# KiCad board bixi.kicad_pcb
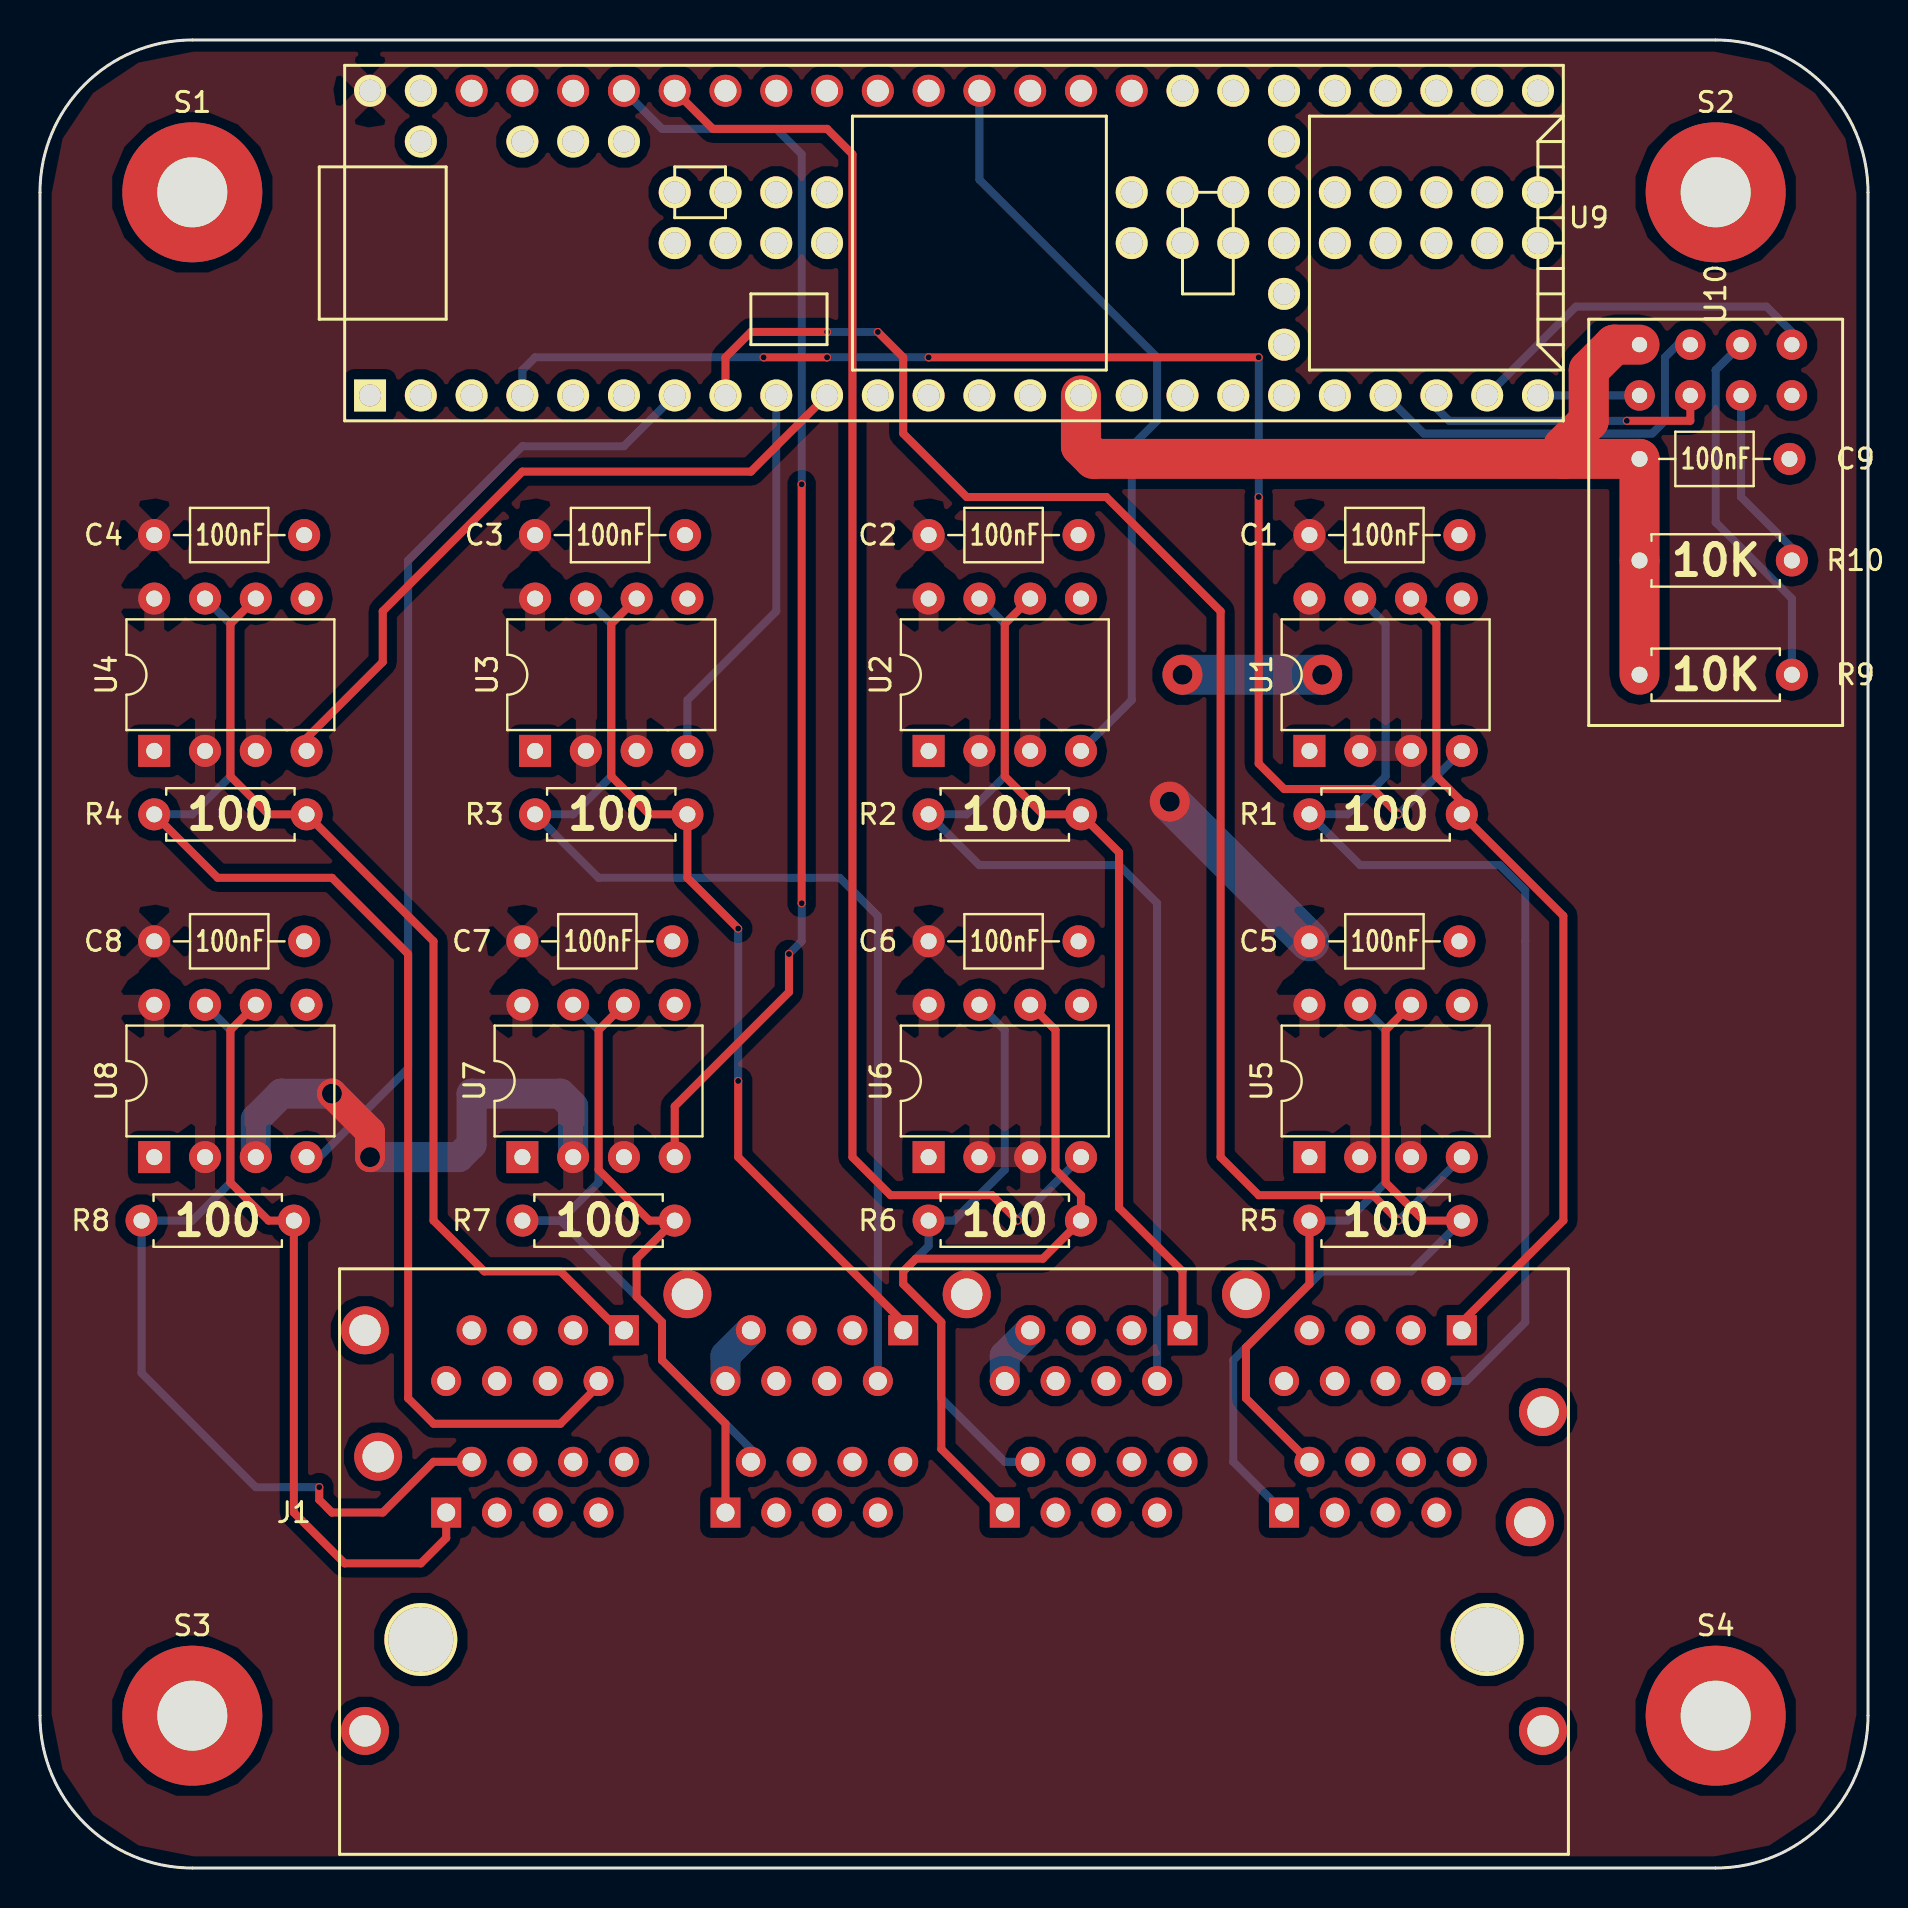
[diagram p0: board, top side]
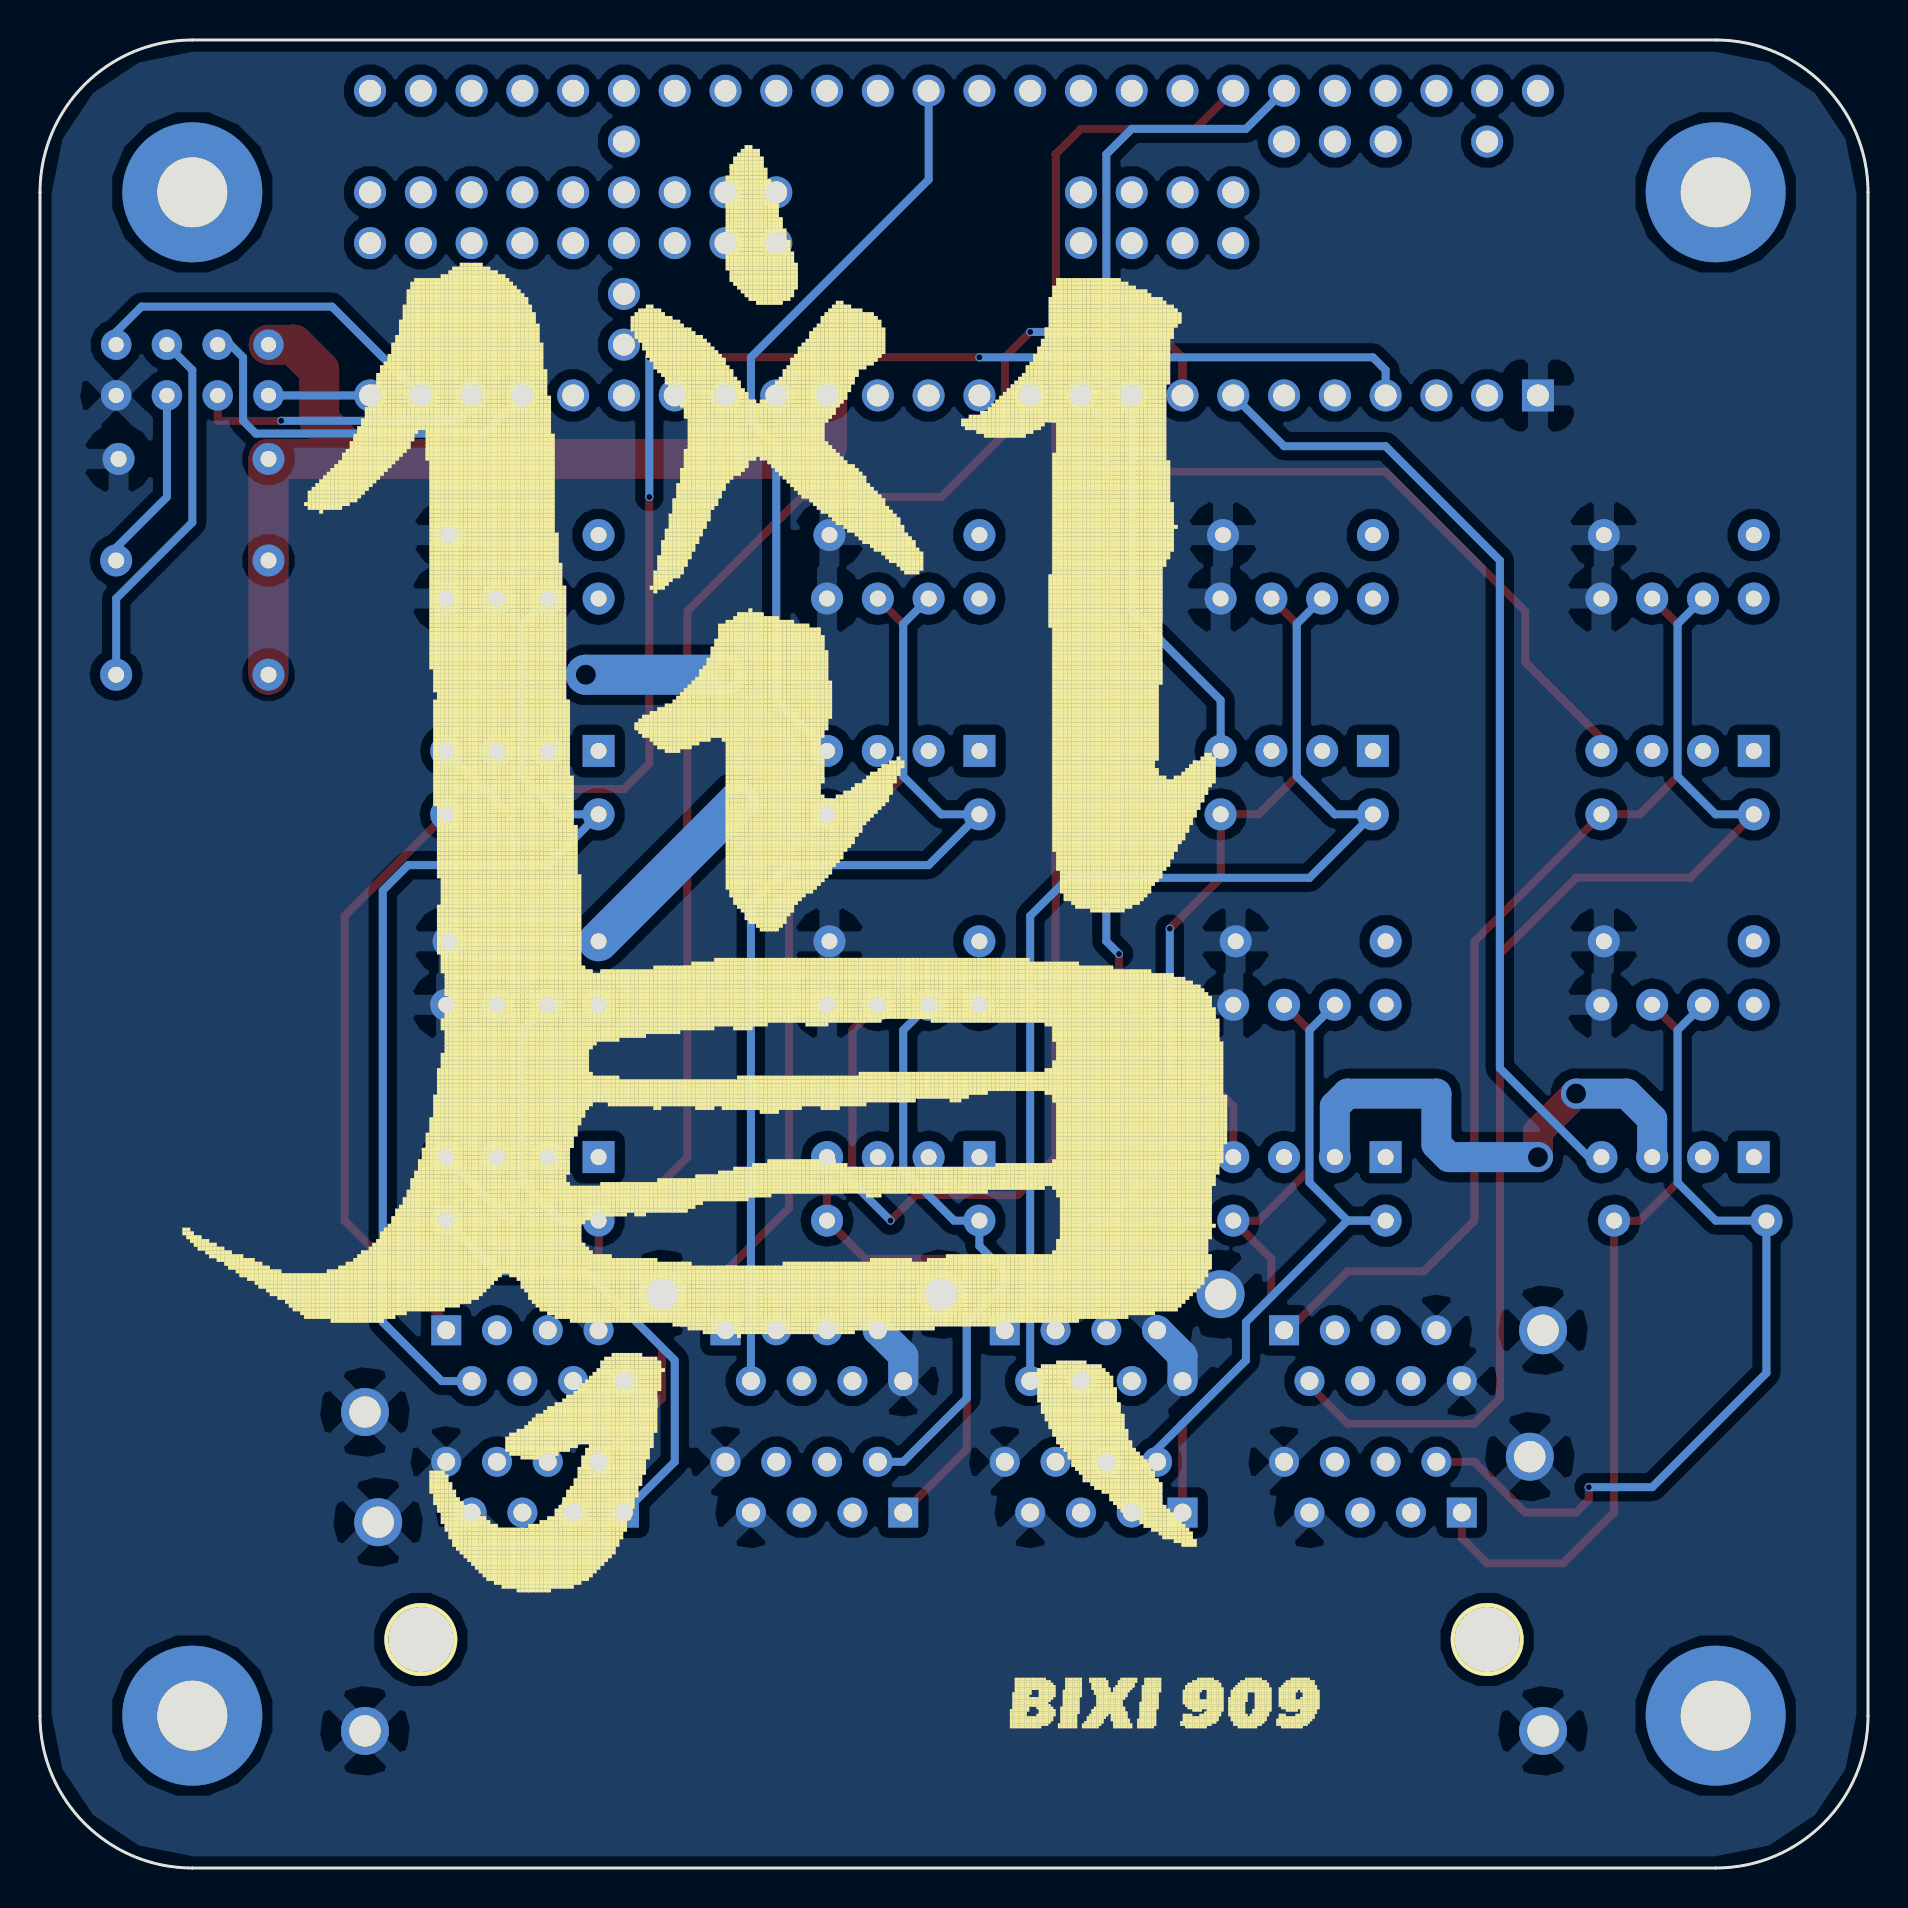
[diagram p1: board, bottom side, seen from below]

Outline 91.44 x 91.44 mm; copper layers: Top, Bottom. Coordinates in mm from the lower left corner of the outline.
Outline path: 0,83.82 0,7.62 arc(2.23,2.23) 7.62,0 83.82,0 arc(89.21,2.23) 91.44,7.62 91.44,83.82 arc(89.21,89.21) 83.82,91.44 7.62,91.44 arc(2.23,89.21) 0,83.82

## Placement (name value [footprint] x y rotation side)
bixi-graphic  -  [bixi-graphic]  29.21 90.17 0 top
bixi-text  -  [bixi-text]  25.4 11.43 0 top
C1  C  [C_Axial_L3.8mm_D2.6mm_P7.50mm_Horizontal]  63.5 66.68 0 top
C2  C  [C_Axial_L3.8mm_D2.6mm_P7.50mm_Horizontal]  44.45 66.68 0 top
C3  C  [C_Axial_L3.8mm_D2.6mm_P7.50mm_Horizontal]  24.77 66.68 0 top
C4  C  [C_Axial_L3.8mm_D2.6mm_P7.50mm_Horizontal]  5.71 66.68 0 top
C5  C  [C_Axial_L3.8mm_D2.6mm_P7.50mm_Horizontal]  63.5 46.36 0 top
C6  C  [C_Axial_L3.8mm_D2.6mm_P7.50mm_Horizontal]  44.45 46.36 0 top
C7  C  [C_Axial_L3.8mm_D2.6mm_P7.50mm_Horizontal]  24.13 46.36 0 top
C8  C  [C_Axial_L3.8mm_D2.6mm_P7.50mm_Horizontal]  5.71 46.36 0 top
C9  C  [C_Axial_L3.8mm_D2.6mm_P7.50mm_Horizontal]  80.01 70.49 0 top
J1  -  [RJ45_2x4]  48.26 -7.62 0 top
R1  100  [R_Axial_DIN0207_L6.3mm_D2.5mm_P7.62mm_Horizontal]  63.5 52.71 0 top
R2  100  [R_Axial_DIN0207_L6.3mm_D2.5mm_P7.62mm_Horizontal]  44.45 52.71 0 top
R3  100  [R_Axial_DIN0207_L6.3mm_D2.5mm_P7.62mm_Horizontal]  24.77 52.71 0 top
R4  100  [R_Axial_DIN0207_L6.3mm_D2.5mm_P7.62mm_Horizontal]  5.71 52.71 0 top
R5  100  [R_Axial_DIN0207_L6.3mm_D2.5mm_P7.62mm_Horizontal]  63.5 32.39 0 top
R6  100  [R_Axial_DIN0207_L6.3mm_D2.5mm_P7.62mm_Horizontal]  44.45 32.39 0 top
R7  100  [R_Axial_DIN0207_L6.3mm_D2.5mm_P7.62mm_Horizontal]  24.13 32.39 0 top
R8  100  [R_Axial_DIN0207_L6.3mm_D2.5mm_P7.62mm_Horizontal]  5.08 32.39 0 top
R9  R  [R_Axial_DIN0207_L6.3mm_D2.5mm_P7.62mm_Horizontal]  80.01 59.69 0 top
R10  R  [R_Axial_DIN0207_L6.3mm_D2.5mm_P7.62mm_Horizontal]  80.01 65.41 0 top
S1  MountingHole_3.5mm  [MountingHole_3.5mm_Pad]  7.62 83.82 0 top
S2  MountingHole_3.5mm  [MountingHole_3.5mm_Pad]  83.82 83.82 0 top
S3  MountingHole_3.5mm  [MountingHole_3.5mm_Pad]  7.62 7.62 0 top
S4  MountingHole_3.5mm  [MountingHole_3.5mm_Pad]  83.82 7.62 0 top
U1  SP3481CN  [DIP-8_W7.62mm]  63.5 55.88 90 top
U2  SP3481CN  [DIP-8_W7.62mm]  44.45 55.88 90 top
U3  SP3481CN  [DIP-8_W7.62mm]  24.77 55.88 90 top
U4  SP3481CN  [DIP-8_W7.62mm]  5.71 55.88 90 top
U5  SP3481CN  [DIP-8_W7.62mm]  63.5 35.56 90 top
U6  SP3481CN  [DIP-8_W7.62mm]  44.45 35.56 90 top
U7  SP3481CN  [DIP-8_W7.62mm]  24.13 35.56 90 top
U8  SP3481CN  [DIP-8_W7.62mm]  5.71 35.56 90 top
U9  Teensy3.6  [Teensy35_36]  45.72 81.28 0 top
U10  -  [ESP8266]  83.82 67.31 270 top

## Footprints (pads in the part's own frame, mm; a bottom-side part is the same pattern mirrored in y, then rotated)
C_Axial_L3.8mm_D2.6mm_P7.50mm_Horizontal
  round 1.6 hole 0.8: 1(0,0)
  oval 1.6x1.6 hole 0.8: 2(7.5,0)
DIP-8_W7.62mm
  rect 1.6x1.6 hole 0.8: 1(0,0)
  oval 1.6x1.6 hole 0.8: 2(0,-2.54) 3(0,-5.08) 4(0,-7.62) 5(7.62,-7.62) 6(7.62,-5.08) 7(7.62,-2.54) 8(7.62,0)
ESP8266
  round 1.524 hole 0.762: 1(-6.35,3.81) 2(-8.89,3.81) 3(-6.35,1.27) 4(-8.89,1.27) 5(-6.35,-1.27) 6(-8.89,-1.27) 7(-6.35,-3.81) 8(-8.89,-3.81)
MountingHole_3.5mm_Pad
  round 7 hole 3.5: 1(0,0)
R_Axial_DIN0207_L6.3mm_D2.5mm_P7.62mm_Horizontal
  round 1.6 hole 0.8: 1(0,0)
  oval 1.6x1.6 hole 0.8: 2(7.62,0)
RJ45_2x4
  round 3.65 hole 3.25 unplated: (-29.21,19.05) (24.13,19.05)
  rect 1.5x1.5 hole 0.9: 1(22.86,34.519) 9(8.89,34.519) 17(-5.08,34.519) 25(-19.05,34.519) 33(13.97,25.4) 41(0,25.4) 49(-13.97,25.4) 57(-27.94,25.4)
  round 1.5 hole 0.9: 2(21.59,31.979) 3(20.32,34.519) 4(19.05,31.979) 5(17.78,34.519) 6(16.51,31.979) 7(15.24,34.519) 8(13.97,31.979) 10(7.62,31.979) 11(6.35,34.519) 12(5.08,31.979) 13(3.81,34.519) 14(2.54,31.979) 15(1.27,34.519) 16(0,31.979) 18(-6.35,31.979) 19(-7.62,34.519) 20(-8.89,31.979) 21(-10.16,34.519) 22(-11.43,31.979) 23(-12.7,34.519) 24(-13.97,31.979) 26(-20.32,31.979) 27(-21.59,34.519) 28(-22.86,31.979) 29(-24.13,34.519) 30(-25.4,31.979) 31(-26.67,34.519) 32(-27.94,31.979) 34(15.24,27.94) 35(16.51,25.4) 36(17.78,27.94) 37(19.05,25.4) 38(20.32,27.94) 39(21.59,25.4) 40(22.86,27.94) 42(1.27,27.94) 43(2.54,25.4) 44(3.81,27.94) 45(5.08,25.4) 46(6.35,27.94) 47(7.62,25.4) 48(8.89,27.94) 50(-12.7,27.94) 51(-11.43,25.4) 52(-10.16,27.94) 53(-8.89,25.4) 54(-7.62,27.94) 55(-6.35,25.4) 56(-5.08,27.94) 58(-26.67,27.94) 59(-25.4,25.4) 60(-24.13,27.94) 61(-22.86,25.4) 62(-21.59,27.94) 63(-20.32,25.4) 64(-19.05,27.94)
  round 2.4 hole 1.57: 65(26.924,14.478) 66(26.264,24.917) 67(26.924,30.429) 68(12.065,36.322) 69(-1.905,36.322) 70(-15.875,36.322) 71(-32.004,34.519) 72(-31.344,28.194) 73(-32.004,14.478)
Teensy35_36
  rect 1.6x1.6 hole 1.1: 1(-29.21,-7.62)
  round 1.6 hole 1.1: 2(-26.67,-7.62) 3(-24.13,-7.62) 4(-21.59,-7.62) 5(-19.05,-7.62) 6(-16.51,-7.62) 7(-13.97,-7.62) 8(-11.43,-7.62) 9(-8.89,-7.62) 10(-6.35,-7.62) 11(-3.81,-7.62) 12(-1.27,-7.62) 13(1.27,-7.62) 14(3.81,-7.62) 15(6.35,-7.62) 16(8.89,-7.62) 17(11.43,-7.62) 18(13.97,-7.62) 19(16.51,-7.62) 20(19.05,-7.62) 21(21.59,-7.62) 22(24.13,-7.62) 23(26.67,-7.62) 24(29.21,-7.62) 25(16.51,-5.08) 26(16.51,-2.54) 27(16.51,0) 28(16.51,2.54) 29(16.51,5.08) 30(29.21,7.62) 31(26.67,7.62) 32(24.13,7.62) 33(21.59,7.62) 34(19.05,7.62) 35(16.51,7.62) 36(13.97,7.62) 37(11.43,7.62) 38(8.89,7.62) 39(6.35,7.62) 40(3.81,7.62) 41(1.27,7.62) 42(-1.27,7.62) 43(-3.81,7.62) 44(-6.35,7.62) 45(-8.89,7.62) 46(-11.43,7.62) 47(-13.97,7.62) 48(-16.51,7.62) 49(-19.05,7.62) 50(-21.59,7.62) 51(-24.13,7.62) 52(-26.67,7.62) 53(-29.21,7.62) 54(-26.67,5.08) 55(-21.59,5.08) 56(-19.05,5.08) 57(-16.51,5.08) 63(-13.97,0) 64(-11.43,0) 65(-8.89,0) 66(-6.35,0) 67(8.89,0) 68(11.43,0) 69(13.97,0) 70(19.05,0) 71(21.59,0) 72(24.13,0) 73(26.67,0) 74(29.21,0) 75(29.21,2.54) 76(26.67,2.54) 77(24.13,2.54) 78(21.59,2.54) 79(19.05,2.54) 80(13.97,2.54) 81(11.43,2.54) 82(8.89,2.54) 83(-6.35,2.54) 84(-8.89,2.54) 85(-11.43,2.54) 86(-13.97,2.54)

## Nets
/3V: C9.1 R9.1 R10.1 U9.15 U10.8
/GND: C1.2 C2.2 C3.2 C4.2 C5.2 C6.2 C7.2 C8.2 C9.2 J1.7 J1.8 J1.15 J1.16 J1.23 J1.24 J1.31 J1.32 J1.39 J1.40 J1.47 J1.48 J1.55 J1.56 J1.63 J1.64 J1.65 J1.66 J1.67 J1.68 J1.69 J1.70 J1.71 J1.72 J1.73 U1.5 U2.5 U3.5 U4.5 U5.5 U6.5 U7.5 U8.5 U9.1 U10.1
/VCC: C1.1 C2.1 C3.1 C4.1 C5.1 C6.1 C7.1 C8.1 U1.2 U1.3 U1.8 U2.2 U2.3 U2.8 U3.2 U3.3 U3.8 U4.2 U4.3 U4.8 U5.2 U5.3 U5.8 U6.2 U6.3 U6.8 U7.2 U7.3 U7.8 U8.2 U8.3 U8.8 U9.53
/1A: J1.1 R1.2 U1.6
/1B: J1.2 R1.1 U1.7
/2A: J1.9 R2.2 U2.6
/2B: J1.10 R2.1 U2.7
/3A: J1.17 R3.2 U3.6
/3B: J1.18 R3.1 U3.7
/4A: J1.25 R4.2 U4.6
/4B: J1.26 R4.1 U4.7
/5A: J1.33 R5.2 U5.6
/5B: J1.34 R5.1 U5.7
/6A: J1.41 R6.2 U6.6
/6B: J1.42 R6.1 U6.7
/7A: J1.49 R7.2 U7.6
/7B: J1.50 R7.1 U7.7
/8A: J1.57 R8.2 U8.6
/8B: J1.58 R8.1 U8.7
/CHPD: R9.2 U10.4
/GPIO0: U9.22 U10.5
/GPIO2: R10.2 U10.3
/RST: U9.21 U10.6
/RXI: U9.24 U10.7
/TXO: U9.23 U10.2
/WS_1: U1.4 U9.4
/WS_2: U2.4 U9.41
/WS_3: U3.4 U9.9
/WS_4: U4.4 U9.10
/WS_5: U5.4 U9.8
/WS_6: U6.4 U9.47
/WS_7: U7.4 U9.48
/WS_8: U8.4 U9.7
Net-(J1-Pad3): J1.3
Net-(J1-Pad4): J1.4
Net-(J1-Pad5): J1.5
Net-(J1-Pad6): J1.6
Net-(J1-Pad11): J1.11
Net-(J1-Pad12): J1.12
Net-(J1-Pad13): J1.13
Net-(J1-Pad14): J1.14
Net-(J1-Pad19): J1.19
Net-(J1-Pad20): J1.20
Net-(J1-Pad21): J1.21
Net-(J1-Pad22): J1.22
Net-(J1-Pad27): J1.27
Net-(J1-Pad28): J1.28
Net-(J1-Pad29): J1.29
Net-(J1-Pad30): J1.30
Net-(J1-Pad35): J1.35
Net-(J1-Pad36): J1.36
Net-(J1-Pad37): J1.37
Net-(J1-Pad38): J1.38
Net-(J1-Pad43): J1.43
Net-(J1-Pad44): J1.44
Net-(J1-Pad45): J1.45
Net-(J1-Pad46): J1.46
Net-(J1-Pad51): J1.51
Net-(J1-Pad52): J1.52
Net-(J1-Pad53): J1.53
Net-(J1-Pad54): J1.54
Net-(J1-Pad59): J1.59
Net-(J1-Pad60): J1.60
Net-(J1-Pad61): J1.61
Net-(J1-Pad62): J1.62
Net-(U1-Pad1): U1.1
Net-(U2-Pad1): U2.1
Net-(U3-Pad1): U3.1
Net-(U4-Pad1): U4.1
Net-(U5-Pad1): U5.1
Net-(U6-Pad1): U6.1
Net-(U7-Pad1): U7.1
Net-(U8-Pad1): U8.1
Net-(U9-Pad2): U9.2
Net-(U9-Pad3): U9.3
Net-(U9-Pad5): U9.5
Net-(U9-Pad6): U9.6
Net-(U9-Pad11): U9.11
Net-(U9-Pad12): U9.12
Net-(U9-Pad13): U9.13
Net-(U9-Pad14): U9.14
Net-(U9-Pad16): U9.16
Net-(U9-Pad17): U9.17
Net-(U9-Pad18): U9.18
Net-(U9-Pad19): U9.19
Net-(U9-Pad20): U9.20
Net-(U9-Pad25): U9.25
Net-(U9-Pad26): U9.26
Net-(U9-Pad27): U9.27
Net-(U9-Pad28): U9.28
Net-(U9-Pad29): U9.29
Net-(U9-Pad30): U9.30
Net-(U9-Pad31): U9.31
Net-(U9-Pad32): U9.32
Net-(U9-Pad33): U9.33
Net-(U9-Pad34): U9.34
Net-(U9-Pad35): U9.35
Net-(U9-Pad36): U9.36
Net-(U9-Pad37): U9.37
Net-(U9-Pad38): U9.38
Net-(U9-Pad39): U9.39
Net-(U9-Pad40): U9.40
Net-(U9-Pad42): U9.42
Net-(U9-Pad43): U9.43
Net-(U9-Pad44): U9.44
Net-(U9-Pad45): U9.45
Net-(U9-Pad46): U9.46
Net-(U9-Pad49): U9.49
Net-(U9-Pad50): U9.50
Net-(U9-Pad51): U9.51
Net-(U9-Pad52): U9.52
Net-(U9-Pad54): U9.54
Net-(U9-Pad55): U9.55
Net-(U9-Pad56): U9.56
Net-(U9-Pad57): U9.57
Net-(U9-Pad63): U9.63
Net-(U9-Pad64): U9.64
Net-(U9-Pad65): U9.65
Net-(U9-Pad66): U9.66
Net-(U9-Pad67): U9.67
Net-(U9-Pad68): U9.68
Net-(U9-Pad69): U9.69
Net-(U9-Pad70): U9.70
Net-(U9-Pad71): U9.71
Net-(U9-Pad72): U9.72
Net-(U9-Pad73): U9.73
Net-(U9-Pad74): U9.74
Net-(U9-Pad75): U9.75
Net-(U9-Pad76): U9.76
Net-(U9-Pad77): U9.77
Net-(U9-Pad78): U9.78
Net-(U9-Pad79): U9.79
Net-(U9-Pad80): U9.80
Net-(U9-Pad81): U9.81
Net-(U9-Pad82): U9.82
Net-(U9-Pad83): U9.83
Net-(U9-Pad84): U9.84
Net-(U9-Pad85): U9.85
Net-(U9-Pad86): U9.86

Pads without a net: S1 1; S2 1; S3 1; S4 1

## Via types
v1: diameter 2, hole 1, Top to Bottom, 3 vias
v2: diameter 0.4, hole 0.3, Top to Bottom, 17 vias
v3: diameter 1.5, hole 1, Top to Bottom, 2 vias

## Routing (per net, layer and track width the routed paths; a pad name or vN(x,y) marks a point on that pad's centre or on a via; arc(x,y) is an arc through that point)
/3V: length 49.6
  Top w2: U9.15 52.07,71.12 52.7,70.49 76.2,70.49 ; 76.2,70.49 C9.1 R10.1 R9.1 ; 76.2,70.49 76.2,71.12 77.47,72.39 77.47,74.93 78.74,76.2 U10.8
/GND: length 6.1
  Bottom w1.5: J1.23 34.29,25.63 J1.24 ; J1.15 48.26,25.63 J1.16
/VCC: length 35.8
  Top w1.5: v3(14.6,38.74) 16.51,36.83 v3(16.51,35.56)
  Bottom w1.5: v3(14.6,38.74) 12.06,38.74 10.79,37.47 U8.3 ; v3(16.51,35.56) 20.95,35.56 21.59,36.2 21.59,38.74 26.03,38.74 26.67,38.1 U7.2
  Bottom w2: C5.1 v1(56.52,53.34)
(no net): length 7
  Bottom w2: v1(57.15,59.69) v1(64.14,59.69)
/1A: length 41.9
  Top w0.4: U1.6 69.85,62.23 69.85,54.61 71.12,53.34 R1.2 76.2,47.63 76.2,32.39 71.12,27.31 J1.1
/1B: length 53.6
  Bottom w0.4: U1.7 67.31,62.23 67.31,54.61 65.41,52.71 R1.1 66.04,50.17 73.03,50.17 74.3,48.9 74.3,27.31 71.35,24.36 J1.2
/2A: length 41.9
  Top w0.4: U2.6 48.26,62.23 48.26,54.61 50.16,52.71 R2.2 53.97,50.8 53.97,33.02 57.15,29.84 J1.9
/2B: length 51.2
  Bottom w0.4: U2.7 48.26,62.23 48.26,54.61 46.36,52.71 R2.1 46.99,50.17 53.97,50.17 55.88,48.26 J1.10
/3A: length 44.3
  Top w0.4: U3.6 28.57,62.23 28.57,54.61 30.48,52.71 R3.2 32.38,49.53 v2(34.92,46.99) ; v2(34.92,39.37) 34.92,35.56 43.18,27.31 J1.17
  Bottom w0.4: v2(34.92,39.37) v2(34.92,46.99)
/3B: length 56.5
  Bottom w0.4: U3.7 28.57,62.23 28.57,54.61 26.67,52.71 R3.1 27.94,49.53 40,49.53 41.91,47.63 J1.18
/4A: length 48.8
  Top w0.4: U4.6 9.52,62.23 9.52,54.61 11.43,52.71 R4.2 19.69,46.36 19.69,32.39 22.23,29.84 26.03,29.84 28.98,26.9 J1.25
/4B: length 62.9
  Top w0.4: R4.1 8.89,49.53 14.6,49.53 18.41,45.72 18.41,23.5 19.69,22.23 26.03,22.23 27.94,24.13 J1.26
  Bottom w0.4: U4.7 9.52,62.23 9.52,54.61 7.62,52.71 R4.1
/5A: length 37
  Top w0.4: U5.6 67.31,41.91 67.31,34.29 69.22,32.39 R5.2
  Bottom w0.4: R5.2 68.58,29.84 64.14,29.84 59.69,25.4 59.69,20.32 J1.33
/5B: length 28.7
  Top w0.4: R5.1 63.5,29.21 60.33,26.03 60.33,23.5 J1.34
  Bottom w0.4: U5.7 67.31,41.91 67.31,34.29 65.41,32.39 R5.1
/6A: length 36
  Top w0.4: U6.6 50.8,41.91 50.8,34.93 52.07,33.66 R6.2 50.16,30.48 43.81,30.48 43.18,29.84 43.18,29.21 45.09,27.31 45.09,20.96 J1.41
/6B: length 29.6
  Bottom w0.4: U6.7 48.26,41.91 48.26,34.93 45.72,32.39 R6.1 44.45,31.12 43.18,29.84 43.18,29.21 45.09,27.31 45.09,23.5 48.26,20.32 J1.42
/7A: length 30.9
  Top w0.4: U7.6 27.94,41.91 27.94,34.93 30.48,32.39 R7.2 29.84,30.48 29.84,28.58 31.12,27.31 31.12,25.4 34.29,22.23 J1.49
/7B: length 31.9
  Bottom w0.4: 26.03,32.39 27.94,34.29 27.94,41.91 U7.7 ; 26.03,32.39 31.12,27.31 31.12,25.4 35.56,20.96 J1.50 ; 26.03,32.39 R7.1 26.03,32.39
/8A: length 38.5
  Top w0.4: U8.6 9.52,41.91 9.52,34.29 11.43,32.39 R8.2 12.7,17.78 15.24,15.24 19.05,15.24 20.32,16.51 J1.57
/8B: length 43.1
  Top w0.4: v2(13.97,19.05) 13.97,18.42 14.6,17.78 17.14,17.78 19.69,20.32 J1.58
  Bottom w0.4: v2(13.97,19.05) 10.79,19.05 5.08,24.77 R8.1 7.62,32.39 9.52,34.29 9.52,41.91 U8.7
/CHPD: length 18.6
  Bottom w0.4: U10.4 83.82,74.93 83.82,67.31 87.63,63.5 R9.2
/GPIO0: length 14.9
  Top w0.4: v2(79.38,72.39) 82.55,72.39 U10.5
  Bottom w0.4: v2(79.38,72.39) 70.48,72.39 69.85,73.03 U9.22
/GPIO2: length 9.3
  Bottom w0.4: U10.3 85.09,68.58 87.63,66.04 R10.2
/RST: length 19.7
  Bottom w0.4: U10.6 81.91,76.2 81.28,75.57 81.28,72.39 80.64,71.76 69.22,71.76 U9.21
/RXI: length 5.1
  Bottom w0.4: U10.7 U9.24
/TXO: length 18.2
  Bottom w0.4: U9.23 76.83,78.11 86.36,78.11 87.63,76.84 U10.2
/WS_1: length 71.2
  Top w0.4: v2(67.94,52.71) 66.67,53.98 62.23,53.98 60.96,55.25 v2(60.96,68.58) ; v2(60.96,75.57) v2(44.45,75.57) ; v2(39.37,75.57) v2(36.2,75.57)
  Bottom w0.4: v2(60.96,68.58) v2(60.96,75.57) ; v2(44.45,75.57) v2(39.37,75.57) ; v2(36.2,75.57) 24.77,75.57 24.13,74.93 U9.4 ; U1.4 v2(67.94,52.71)
/WS_2: length 38.3
  Bottom w0.4: U9.41 46.99,84.46 55.88,75.57 55.88,72.39 54.61,71.12 54.61,58.42 U2.4
/WS_3: length 19.6
  Bottom w0.4: U9.9 36.83,62.87 32.38,58.42 U3.4
/WS_4: length 35.3
  Top w0.4: U9.10 35.56,69.85 24.13,69.85 17.14,62.87 17.14,60.33 13.33,56.52 U4.4
/WS_5: length 77.2
  Top w0.4: v2(67.94,32.39) 66.67,33.66 60.96,33.66 59.05,35.56 59.05,62.87 53.34,68.58 46.36,68.58 43.18,71.76 43.18,75.57 v2(41.91,76.84) ; v2(39.37,76.84) 35.56,76.84 34.29,75.57 U9.8
  Bottom w0.4: v2(41.91,76.84) v2(39.37,76.84) ; U5.4 v2(67.94,32.39)
/WS_6: length 74.4
  Top w0.4: v2(48.89,32.39) 47.62,33.66 42.55,33.66 40.64,35.56 40.64,85.73 39.37,87 33.66,87 U9.47
  Bottom w0.4: U6.4 v2(48.89,32.39)
/WS_7: length 63
  Top w0.4: v2(37.46,45.72) 37.46,43.82 31.75,38.1 U7.4 ; v2(38.1,48.26) v2(38.1,69.22)
  Bottom w0.4: v2(37.46,45.72) 38.1,46.36 v2(38.1,48.26) ; v2(38.1,69.22) 38.1,85.73 36.83,87 31.12,87 U9.48
/WS_8: length 49.1
  Bottom w0.4: U9.7 29.21,71.12 24.13,71.12 18.41,65.41 18.41,40.01 13.97,35.56 U8.4

## Copper pours and planes (outline as drawn; the poured copper is in the pictures)
/GND on Bottom: 96.52,-5.08 -2.54,-5.08 -2.54,96.52 96.52,96.52
/VCC on Top: 96.52,-5.08 -2.54,-5.08 -2.54,96.52 96.52,96.52

## Text on the board
F.SilkS: 100nF | 100 | 10K
